# Altium PCB USB_DAQ.PcbDoc
Units mil, origin at the board's own origin, x right, y up, seen from the top; angles counter-clockwise.
Board outline 6000 x 4000 mil, 2 copper layers (Top Layer, Bottom Layer); 168 components, 107 nets, 512 pads, 0 vias.
Unrouted connection lines stored in the file: 364.
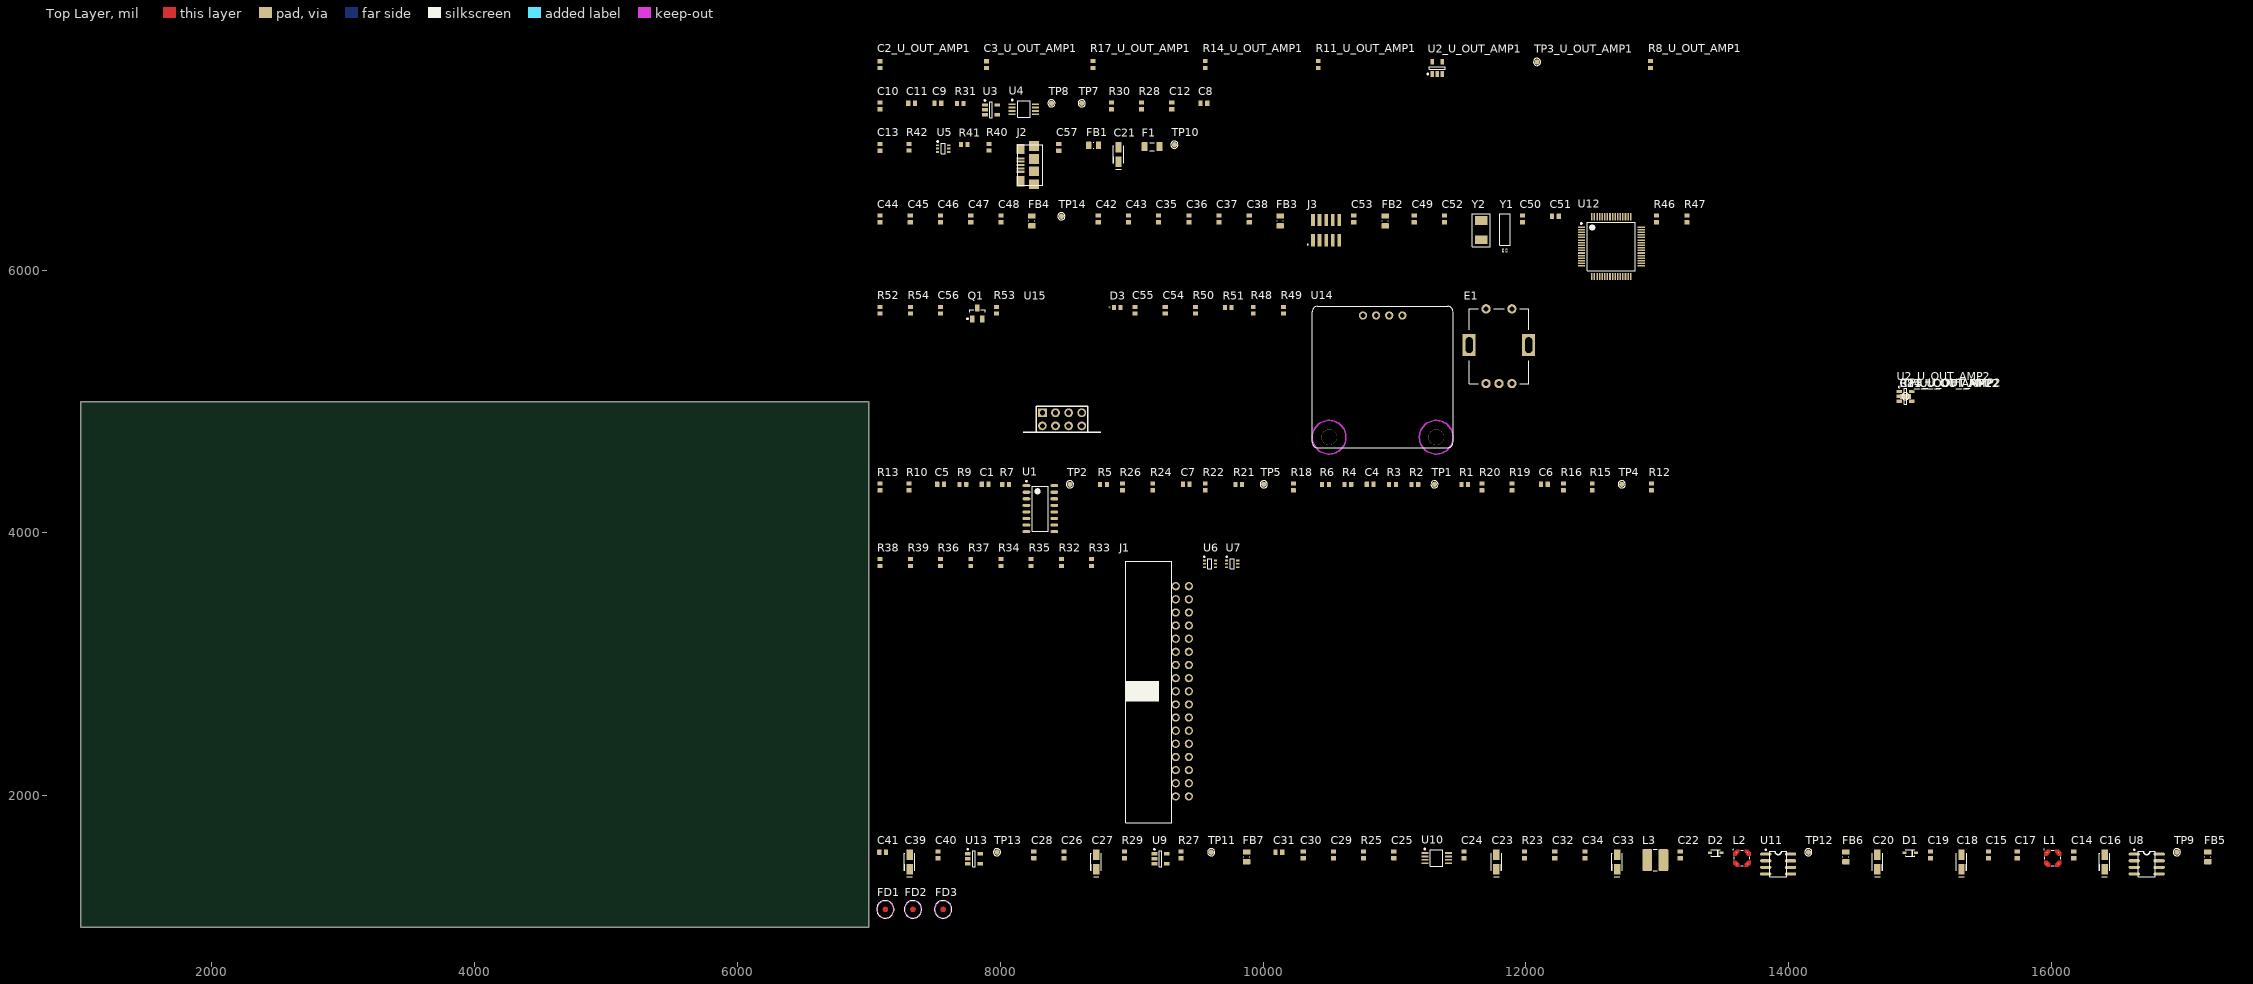
[diagram p0: Top Layer view]
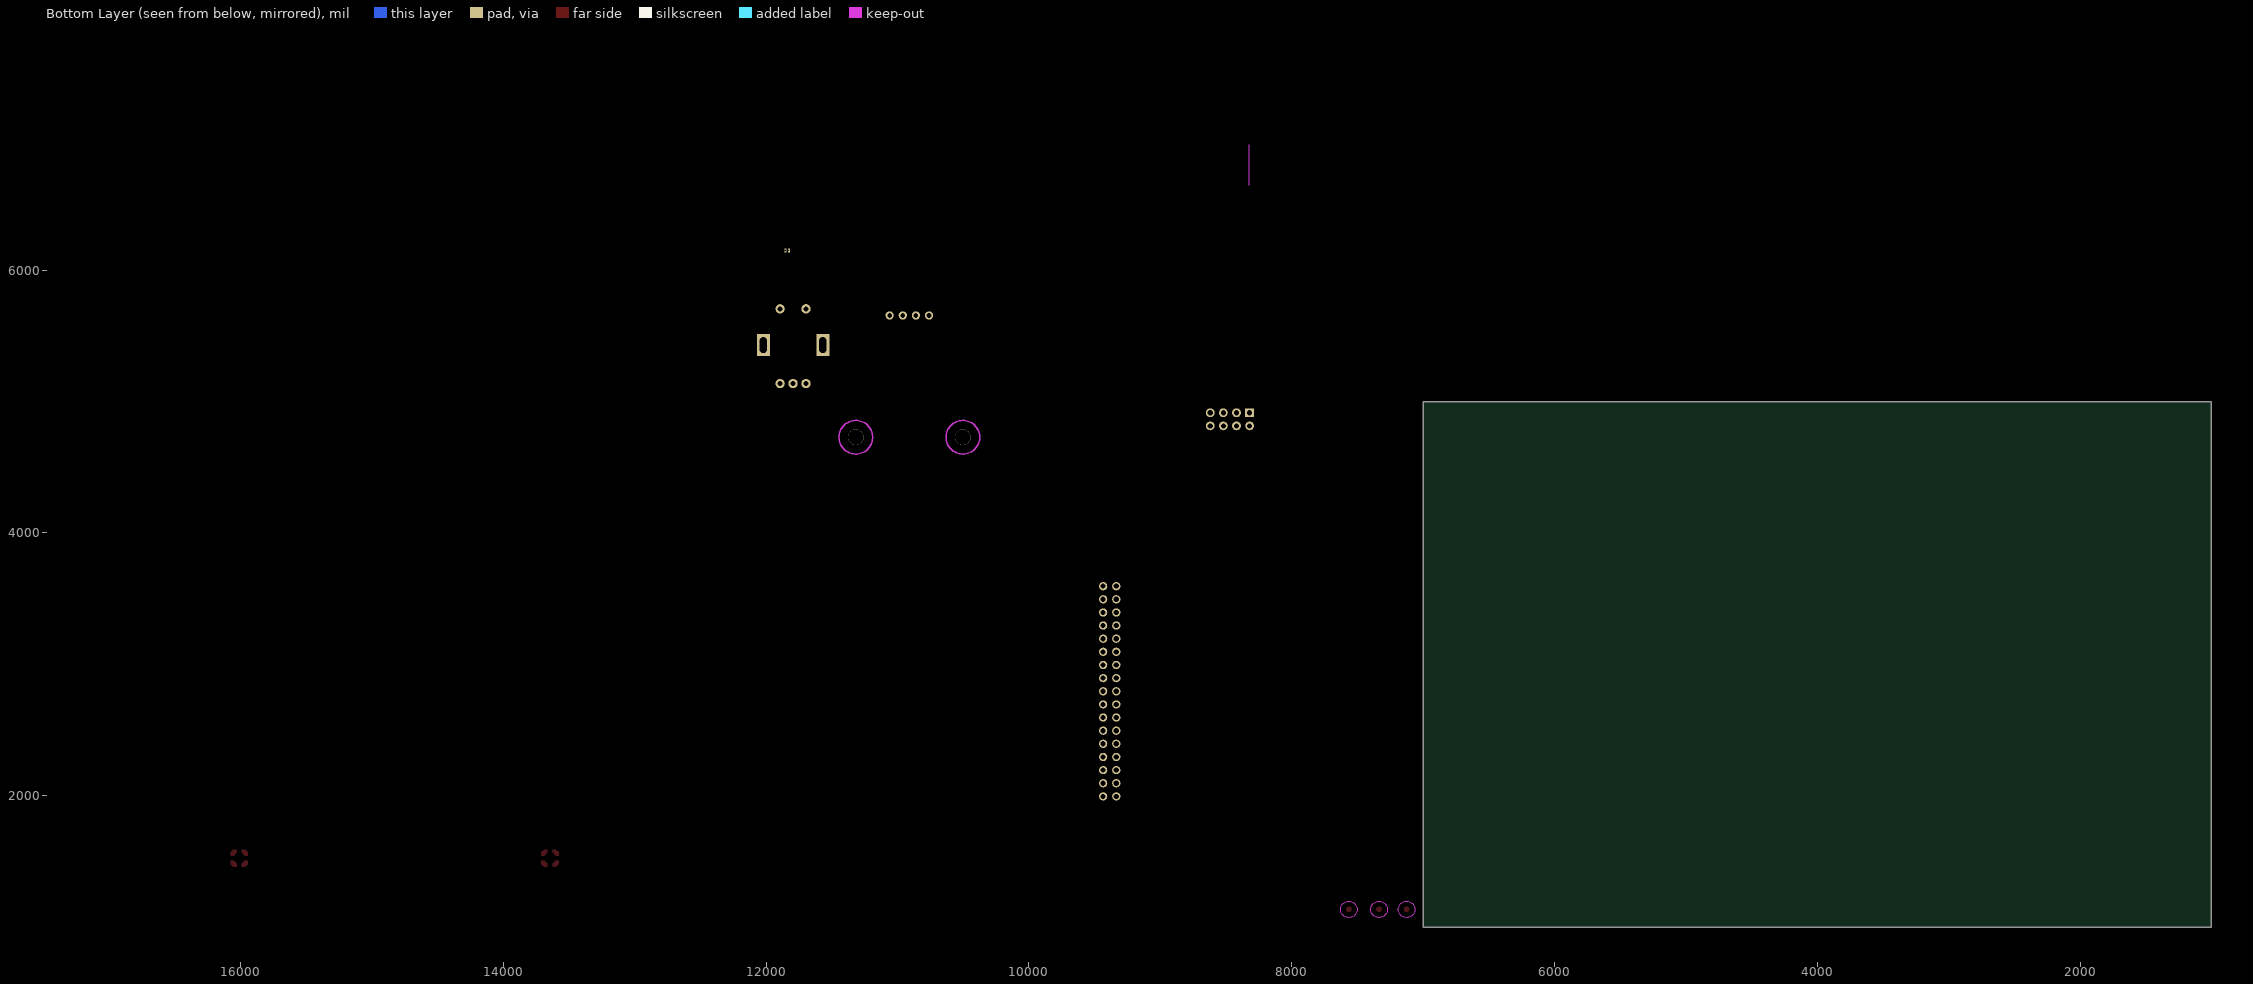
[diagram p1: Bottom Layer view, seen from below]

## Layer stack, top to bottom
Top Solder: solder mask 0.4, Solder Resist, Dk 3.5
Top Layer: signal copper 1.4
Dielectric 1: dielectric 12.6, FR-4, Dk 4.8
Bottom Layer: signal copper 1.4
Bottom Solder: solder mask 0.4, Solder Resist, Dk 3.5

## Board outline
1000,1000 7000,1000 7000,5000 1000,5000

## Design rules (kind name [scope] priority, off if disabled: settings)
Clearance [All] p1: gap=10 ignorepadtopadclearanceinfootprint=FALSE except(0: Arc-Hole Track-Hole SMDPad-Hole THPad-Hole Via-Hole Fill-Hole Poly-Hole Region-Hole Text-Hole)
DiffPairsRouting [All] p1: maxlimit=10 minlimit=10 mostfreqgap=10 toplayer_minwidth=15 toplayer_maxwidth=15 toplayer_prefwidth=15 bottomlayer_minwidth=15 bottomlayer_maxwidth=15 bottomlayer_prefwidth=15 maxuncoupledlength=500
PolygonConnect [All] p1: connectstyle=Relief reliefconductorwidth=10 reliefentries=4 polygonreliefangle="90 Angle" airgapwidth=10
RoomDefinition PSU [InComponentClass('PSU')] p1: confinementstyle=ConfineIn formatcopy=TRUE lockcomponents=FALSE outline 7045,1360 17340,1360 17340,1710 7045,1710
RoutingVias [All] p1: holewidth=28 width=50 viastyle="Through Hole" minholewidth=28 minwidth=50 maxholewidth=28 maxwidth=50
SolderMaskExpansion [All] p1: expansion=4 istentingtop=FALSE
Width [All] p1: maxlimit=10 minlimit=10 preferedwidth=10
29 further rules are at their usual default settings.

## Classes and differential pairs
channel class Output_amplifier: U_OUT_AMP1 U_OUT_AMP2
net class PIO[0..7]: PIO0 PIO1 PIO2 PIO3 PIO4 PIO5 PIO6 PIO7
net class ANALOG: OUT1_P OUT2_P OUT3_P OUT4_P VREF/2
component class U_VREF: C8 C9 C10 C11 C12 R28 R30 R31 TP7 TP8 U3 U4
component class U_USB: C13 C21 C57 F1 FB1 J2 R40 R41 R42 TP10 U5
component class U_uC: C35 C36 C37 C38 C42 C43 C44 C45 C46 C47 C48 C49 C50 C51 C52 C53 FB2 FB3 FB4 J3 R46 R47 TP14 U12 Y1 Y2
component class U_OUT_AMP2: C2_U_OUT_AMP2 C3_U_OUT_AMP2 R8_U_OUT_AMP2 R11_U_OUT_AMP2 R14_U_OUT_AMP2 R17_U_OUT_AMP2 TP3_U_OUT_AMP2 U2_U_OUT_AMP2
component class U_OUT_AMP1: C2_U_OUT_AMP1 C3_U_OUT_AMP1 R8_U_OUT_AMP1 R11_U_OUT_AMP1 R14_U_OUT_AMP1 R17_U_OUT_AMP1 TP3_U_OUT_AMP1 U2_U_OUT_AMP1
component class U_INTFC: C54 C55 C56 D3 E1 Q1 R48 R49 R50 R51 R52 R53 R54 U14 U15
component class U_IN_AMP: C1 C4 C5 C6 C7 R1 R2 R3 R4 R5 R6 R7 R9 R10 R12 R13 R15 R16 R18 R19 R20 R21 R22 R24 R26 TP1 TP2 TP4 TP5 U1
component class U_DAQ_IO: J1 R32 R33 R34 R35 R36 R37 R38 R39 U6 U7
component class PSU: C14 C15 C16 C17 C18 C19 C20 C22 C23 C24 C25 C26 C27 C28 C29 C30 C31 C32 C33 C34 C39 C40 C41 D1 D2 FB5 FB6 FB7 L1 L2 L3 R23 R25 R27 R29 TP9 TP11 TP12 TP13 U8 U9 U10 U11 U13
component class DAQ_REV_B: FD1 FD2 FD3
differential pair USB: +USB_P -USB_N
differential pair IN4: +IN4_P -IN4_N
differential pair IN3: +IN3_P -IN3_N
differential pair IN2: +IN2_P -IN2_N
differential pair IN1: +IN1_P -IN1_N

## Components (designator, comment, footprint, x,y, rotation, side; value= is the part's Value field where it differs from the comment)
C1 "100n" C_0603 7885,4370 r0 top
C2_U_OUT_AMP1 "100n" C_0603 7085,7565 r90 top (schematic designator C2)
C2_U_OUT_AMP2 "100n" C_0603 14889.5,5039.5 r0 top (schematic designator C2)
C3_U_OUT_AMP1 "100n" C_0603 7895,7565 r90 top (schematic designator C3)
C3_U_OUT_AMP2 "100n" C_0603 14889.5,5039.5 r0 top (schematic designator C3)
C4 "1n" C_0603 10815,4370 r0 top
C5 "1n" C_0603 7545,4370 r0 top
C6 "1n" C_0603 12140,4370 r0 top
C7 "1n" C_0603 9415,4370 r0 top
C8 "100n" C_0603 9550,7270 r0 top
C9 "100n" C_0603 7525,7270 r0 top
C10 "1u" C_0603 7085,7250 r90 top
C11 "100n" C_0603 7325,7270 r0 top
C12 "100n" C_0603 9305,7250 r90 top
C13 "4n7" C_0603 7085,6935 r90 top
C14 "2u2" C_0603 16170,1550 r90 top
C15 "1uF 25V" C_0603 15520,1550 r90 top
C16 "10u" "Tantalum Case A" 16405,1495 r90 top
C17 "100n" C_0603 15740,1550 r90 top
C18 "10uF" "Tantalum Case A" 15315,1495 r90 top
C19 "1uF 25V" C_0603 15080,1550 r90 top
C20 "2u2" "Tantalum Case A" 14675,1495 r90 top
C21 "4u7" "Tantalum Case A" 8900,6880 r90 top
C22 "1uF 25V" C_0603 13175,1550 r90 top
C23 "10uF" "Tantalum Case A" 11775,1495 r90 top
C24 "1uF 25V" C_0603 11530,1550 r90 top
C25 "1uF" C_0603 10995,1550 r90 top
C26 "2u2" C_0603 8485,1550 r90 top
C27 "10u" "Tantalum Case A" 8730,1495 r90 top
C28 "1u" C_0603 8255,1550 r90 top
C29 "15nF" C_0603 10535,1550 r90 top
C30 "15pF" C_0603 10305,1550 r90 top
C31 "47nF" C_0603 10120,1570 r0 top
C32 "2u2" C_0603 12220,1550 r90 top
C33 "10u" "Tantalum Case A" 12695,1495 r90 top
C34 "100n" C_0603 12450,1550 r90 top
C35 "1u" C_0603 9205,6390 r90 top
C36 "100n" C_0603 9435,6390 r90 top
C37 "100n" C_0603 9665,6390 r90 top
C38 "100n" C_0603 9895,6390 r90 top
C39 "4u7" "Tantalum Case A" 7310,1495 r90 top
C40 "1u" C_0603 7525,1550 r90 top
C41 "1u" C_0603 7105,1570 r0 top
C42 "100n" C_0603 8745,6390 r90 top
C43 "2u2" C_0603 8975,6390 r90 top
C44 "2u2" C_0603 7085,6390 r90 top
C45 "100n" C_0603 7315,6390 r90 top
C46 "100n" C_0603 7545,6390 r90 top
C47 "100n" C_0603 7775,6390 r90 top
C48 "100n" C_0603 8005,6390 r90 top
C49 "18p" C_0603 11150,6390 r90 top
C50 "18p" C_0603 11975,6390 r90 top
C51 "10p" C_0603 12225,6410 r0 top
C52 "10p" C_0603 11380,6390 r90 top
C53 "1u" C_0603 10690,6390 r90 top
C54 "100n" C_0603 9255,5695 r90 top
C55 "2u2" C_0603 9025,5695 r90 top
C56 "1u" C_0603 7545,5695 r90 top
C57 "10n" C_0603 8445,6935 r90 top
D1 "PMEG2020" SOD323 14925,1565 r0 top
D2 "PMEG2020" SOD323 13445,1565 r0 top
D3 "LED Green" LED_0603 8890,5715 r0 top
E1 "PEC11L-4220F-S0015" PEC11L 11795,5430 r0 top
F1 "250mA" "PPTCF 1206" 9155,6940 r0 top
FB1 "120Ω @ 100MHz" SMD_0805 8710,6950 r0 top
FB2 "120Ω @ 100MHz" SMD_0805 10930,6375 r90 top
FB3 "120Ω @ 100MHz" SMD_0805 10130,6375 r90 top
FB4 "120Ω @ 100MHz" SMD_0805 8240,6375 r90 top
FB5 "120Ω @ 100MHz" SMD_0805 17190,1535 r90 top
FB6 "120Ω @ 100MHz" SMD_0805 14435,1535 r90 top
FB7 "120Ω @ 100MHz" SMD_0805 9875,1535 r90 top
FD1 "Fiducial 1mm" FID1 7125,1135 r0 top
FD2 "Fiducial 1mm" FID1 7335,1135 r0 top
FD3 "Fiducial 1mm" FID1 7565,1135 r0 top
J1 "2X17" IDC34R 9385,2795 r90 top
J2 "micro USB B" MICRO_USB_A 8205,6800 r90 top
J3 "M50-3600542" HEADER_2X05_1.27mm 10480,6305 r0 top
L1 "LPD3015-153" LPD3015 16010,1525 r0 top value=15µH
L2 "LPD3015-153" LPD3015 13645,1525 r0 top value=15µH
L3 "10µH" IND_SMD_4X4mm 12985,1510 r0 top
Q1 "2N7002" SOT23-3 7825,5670 r0 top
R1 "120k" R_0603 11535,4370 r0 top
R2 "1M" R_0603 11155,4370 r0 top
R3 "470R" R_0603 10985,4370 r0 top
R4 "1M" R_0603 10645,4370 r0 top
R5 "120k" R_0603 8785,4370 r0 top
R6 "120k" R_0603 10475,4370 r0 top
R7 "1M" R_0603 8040,4370 r0 top
R8_U_OUT_AMP1 "24k" R_0603 12950,7565 r90 top (schematic designator R8)
R8_U_OUT_AMP2 "24k" R_0603 14889.5,5039.5 r0 top (schematic designator R8)
R9 "470R" R_0603 7715,4370 r0 top
R10 "1M" R_0603 7305,4350 r90 top
R11_U_OUT_AMP1 "2k" R_0603 10420,7565 r90 top (schematic designator R11)
R11_U_OUT_AMP2 "2k" R_0603 14889.5,5039.5 r0 top (schematic designator R11)
R12 "120k" R_0603 12955,4350 r90 top
R13 "120k" R_0603 7085,4350 r90 top
R14_U_OUT_AMP1 "2k" R_0603 9560,7565 r90 top (schematic designator R14)
R14_U_OUT_AMP2 "2k" R_0603 14889.5,5039.5 r0 top (schematic designator R14)
R15 "1M" R_0603 12505,4350 r90 top
R16 "470R" R_0603 12285,4350 r90 top
R17_U_OUT_AMP1 "24k" R_0603 8705,7565 r90 top (schematic designator R17)
R17_U_OUT_AMP2 "24k" R_0603 14889.5,5039.5 r0 top (schematic designator R17)
R18 "120k" R_0603 10230,4350 r90 top
R19 "1M" R_0603 11895,4350 r90 top
R20 "120k" R_0603 11665,4350 r90 top
R21 "1M" R_0603 9815,4370 r0 top
R22 "470R" R_0603 9560,4350 r90 top
R23 "10R" R_0603 11990,1550 r90 top
R24 "1M" R_0603 9160,4350 r90 top
R25 "113k" R_0603 10765,1550 r90 top
R26 "120k" R_0603 8930,4350 r90 top
R27 "10k" R_0603 9375,1550 r90 top
R28 "75R" R_0603 9075,7250 r90 top
R29 "27.4k" R_0603 8945,1550 r90 top
R30 "75k" R_0603 8845,7250 r90 top
R31 "75k" R_0603 7695,7270 r0 top
R32 "100R" R_0603 8465,3775 r90 top
R33 "100R" R_0603 8695,3775 r90 top
R34 "100R" R_0603 8005,3775 r90 top
R35 "100R" R_0603 8235,3775 r90 top
R36 "100R" R_0603 7545,3775 r90 top
R37 "100R" R_0603 7775,3775 r90 top
R38 "100R" R_0603 7085,3775 r90 top
R39 "100R" R_0603 7315,3775 r90 top
R40 "27R" R_0603 7915,6935 r90 top
R41 "27R" R_0603 7725,6955 r0 top
R42 "1M" R_0603 7305,6935 r90 top
R46 "4k7" R_0603 12995,6390 r90 top
R47 "4k7" R_0603 13225,6390 r90 top
R48 "100R" R_0603 9925,5695 r90 top
R49 "100R" R_0603 10155,5695 r90 top
R50 "100R" R_0603 9485,5695 r90 top
R51 "100R" R_0603 9735,5715 r0 top
R52 "10k" R_0603 7085,5695 r90 top
R53 "270R" R_0603 7970,5695 r90 top
R54 "10k" R_0603 7315,5695 r90 top
TP1 "testpoint" TP1_FULL 11305,4370 r0 top
TP2 "testpoint" TP1_FULL 8530,4370 r90 top
TP3_U_OUT_AMP1 "testpoint" TP1_FULL 12085,7585 r90 top (schematic designator TP3)
TP3_U_OUT_AMP2 "testpoint" TP1_FULL 14889.5,5039.5 r0 top (schematic designator TP3)
TP4 "testpoint" TP1_FULL 12730,4370 r90 top
TP5 "testpoint" TP1_FULL 10005,4370 r90 top
TP7 "testpoint" TP1_FULL 8620,7270 r90 top
TP8 "testpoint" TP1_FULL 8390,7270 r90 top
TP9 "testpoint" TP1_FULL 16955,1570 r90 top
TP10 "testpoint" TP1_FULL 9325,6955 r90 top
TP11 "testpoint" TP1_FULL 9605,1570 r90 top
TP12 "testpoint" TP1_FULL 14150,1570 r90 top
TP13 "testpoint" TP1_FULL 7975,1570 r90 top
TP14 "testpoint" TP1_FULL 8465,6410 r90 top
U1 "OPA4348" SOIC14 8305,4185 r0 top
U2_U_OUT_AMP1 "ADA4000-1" SOT23-5 11325,7540 r90 top (schematic designator U2)
U2_U_OUT_AMP2 "ADA4000-1" SOT23-5 14889.5,5039.5 r0 top (schematic designator U2)
U3 "TLV2471" SOT23-5 7930,7220 r0 top
U4 "ADR3525WA" MSOP8 8180,7225 r0 top
U5 "PUSB2X4Y" SOT363 7565,6925 r0 top
U6 "PUSB2X4Y" SOT363 9595,3765 r0 top
U7 "PUSB2X4Y" SOT363 9765,3765 r0 top
U8 "MC78L12ACDG" SOIC8 16725,1480 r0 top
U9 "TPS70933" SOT23-5 9220,1520 r0 top
U10 "ADP1613" MSOP8 11320,1525 r0 top
U11 "MC79L12ACDG" SOIC8 13920,1480 r0 top
U12 "ATSAM3S4B" LQFP64 12650,6180 r0 top
U13 "TPS73633" SOT23-5 7800,1520 r0 top
U14 "SSD1306" OLED1 10910,5185 r0 top
U15 "ESP-01" ESP-01 8470,4865 r90 top
Y1 "32.768khz" 2X6_FLAT 11840,6150 r90 top value=32.758khz
Y2 "16MHz" 5X3.2 11660,6305 r90 top

## Footprints (in the part's own frame and the unit in brackets; to place one, negate y for a bottom-side part, rotate by r counter-clockwise, add the part's x,y. Pads: shape width x height; smd on the part's side, far side on the other; paste and mask are expansions set on the pad)
2X6_FLAT [mm]
  rrect50% 0.8x0.4 hole 0.35: 1(0,-0.35)
  rrect50% 0.8x0.4 hole 0.3: 2(0,0.35)
  silkscreen extent 1.02,-1 7.11,1, body extent -0.14,-1 7,1, height 3
5X3.2 [mm] "TXC 7A series crysal oscillator footprint"
  rect 1.7x2.4 smd: 1(-1.85,0) 2(1.85,0)
  silkscreen extent -3.17,-1.78 3.17,1.78, body extent -2.5,-1.6 2.5,1.6, height 1.26
C_0603 [mm] "Chip Capacitor, 2-Leads, Body 1.57x0.85mm, IPC Medium Density"
  rrect10% 0.82x1 smd: 1(-0.65,0) 2(0.65,0)
  body extent -0.82,-0.48 0.82,0.48, height 0.95
ESP-01 [mm]
  rect 1.7x1.7 hole 1: 1(1.27,3.81)
  round 1.7 hole 1: 2(-1.27,3.81) 3(1.27,1.27) 4(-1.27,1.27) 5(1.27,-1.27) 6(-1.27,-1.27) 7(1.27,-3.81) 8(-1.27,-3.81)
  silkscreen extent -2.5,-7.5 2.5,7.5, body extent -2.8,-7.25 22,7.25, height 13.88
FID1 [mil]
  Top Layer region: 0,-19.68 -3.92,-19.68 -11.15,-16.69 -16.69,-11.15 -19.69,-3.92 -19.69,0 -19.69,3.92 -16.69,11.15 -11.15,16.69 -3.92,19.68 0,19.68 3.92,19.68 11.15,16.69 16.69,11.15 19.69,3.92 19.69,0 19.69,-3.92 16.69,-11.15 11.15,-16.69 3.92,-19.68 0,-19.68
  Keep-Out Layer circle w0.39: c0,0 r62.99
  silkscreen extent -67,-67 67,67
HEADER_2X05_1.27mm [mm]
  rect 0.74x2.4 smd: 1(-2.54,-1.95) 2(-2.54,1.95) 3(-1.27,-1.95) 4(-1.27,1.95) 5(0,-1.95) 6(0,1.95) 7(1.27,-1.95) 8(1.27,1.95) 9(2.54,-1.95) 10(2.54,1.95)
  silkscreen extent -3.66,-2.89 -3.46,-2.69, body extent -3.18,-2.75 3.17,2.75, height 4.51
IDC34R [mm]
  round 1.6 hole 1: 1(-20.32,-1.27) 2(-20.32,1.27) 3(-17.78,-1.27) 4(-17.78,1.27) 5(-15.24,-1.27) 6(-15.24,1.27) 7(-12.7,-1.27) 8(-12.7,1.27) 9(-10.16,-1.27) 10(-10.16,1.27) 11(-7.62,-1.27) 12(-7.62,1.27) 13(-5.08,-1.27) 14(-5.08,1.27) 15(-2.54,-1.27) 16(-2.54,1.27) 17(0,-1.27) 18(0,1.27) 19(2.54,-1.27) 20(2.54,1.27) 21(5.08,-1.27) 22(5.08,1.27) 23(7.62,-1.27) 24(7.62,1.27) 25(10.16,-1.27) 26(10.16,1.27) 27(12.7,-1.27) 28(12.7,1.27) 29(15.24,-1.27) 30(15.24,1.27) 31(17.78,-1.27) 32(17.78,1.27) 33(20.32,-1.27) 34(20.32,1.27)
  silkscreen extent -25.4,2 25.1,10.9, body extent -25.71,-1.56 25.71,12, height 8.85
IND_SMD_4X4mm [mm]
  rrect26% 1.91x4.22 smd: 1(-1.555,0) 2(1.555,0)
  silkscreen extent -0.42,-2.1 0.42,2.1, body extent -2,-2 2,2, height 2.15
LED_0603 [mm] "SMD LED, 2-Leads, Body 1.57x0.85mm, IPC Medium Density"
  rrect10% 0.8x0.95 smd: 1(-0.65,0) 2(0.65,0)
  body extent -0.8,-0.4 0.8,0.4, height 0.7
LPD3015 [mm]
  rect 0.2x0.2 smd: 1(-1.1,1.1) 2(-1.1,-1.1) 3(1.1,-1.1) 4(1.1,1.1)
  Top Layer region: -1.65,0.5 -1.1,0.5 -0.5,1.1 -0.5,1.65 -1.15,1.65 -1.65,1.15
  Top Layer region: 1.65,0.5 1.1,0.5 0.5,1.1 0.5,1.65 1.15,1.65 1.65,1.15
  Top Layer region: 1.65,-0.5 1.1,-0.5 0.5,-1.1 0.5,-1.65 1.15,-1.65 1.65,-1.15
  Top Layer region: -1.65,-0.5 -1.1,-0.5 -0.5,-1.1 -0.5,-1.65 -1.15,-1.65 -1.65,-1.15
  silkscreen extent -1.75,-1.5 1.5,1.69, body extent -1.55,-1.54 1.53,1.54, height 1.5
LQFP64 [mm]
  rect 1.4x0.3 smd: 1(-5.775,3.75) 2(-5.775,3.25) 3(-5.775,2.75) 4(-5.775,2.25) 5(-5.775,1.75) 6(-5.775,1.25) 7(-5.775,0.75) 8(-5.775,0.25) 9(-5.775,-0.25) 10(-5.775,-0.75) 11(-5.775,-1.25) 12(-5.775,-1.75) 13(-5.775,-2.25) 14(-5.775,-2.75) 15(-5.775,-3.25) 16(-5.775,-3.75) 33(5.775,-3.75) 34(5.775,-3.25) 35(5.775,-2.75) 36(5.775,-2.25) 37(5.775,-1.75) 38(5.775,-1.25) 39(5.775,-0.75) 40(5.775,-0.25) 41(5.775,0.25) 42(5.775,0.75) 43(5.775,1.25) 44(5.775,1.75) 45(5.775,2.25) 46(5.775,2.75) 47(5.775,3.25) 48(5.775,3.75)
  rect 0.3x1.4 smd: 17(-3.75,-5.775) 18(-3.25,-5.775) 19(-2.75,-5.775) 20(-2.25,-5.775) 21(-1.75,-5.775) 22(-1.25,-5.775) 23(-0.75,-5.775) 24(-0.25,-5.775) 25(0.25,-5.775) 26(0.75,-5.775) 27(1.25,-5.775) 28(1.75,-5.775) 29(2.25,-5.775) 30(2.75,-5.775) 31(3.25,-5.775) 32(3.75,-5.775) 49(3.75,5.775) 50(3.25,5.775) 51(2.75,5.775) 52(2.25,5.775) 53(1.75,5.775) 54(1.25,5.775) 55(0.75,5.775) 56(0.25,5.775) 57(-0.25,5.775) 58(-0.75,5.775) 59(-1.25,5.775) 60(-1.75,5.775) 61(-2.25,5.775) 62(-2.75,5.775) 63(-3.25,5.775) 64(-3.75,5.775)
  silkscreen extent -5.9,-4.67 4.67,4.67, body extent -6,-6 6,6, height 1.6
MICRO_USB_A [mm]
  rect 0.4x1.6 smd: 1(-1.3,1.3) 2(-0.65,1.3) 3(0,1.3) 4(0.65,1.3) 5(1.3,1.3)
  rect 2x1.6 smd: 6(-3.1,1.3) 6(3.1,1.3)
  rect 1.9x1.9 smd: 7(-3.7,-1.3) 7(-1.2,-1.3) 7(1.2,-1.3) 7(3.7,-1.3)
  Keep-Out Layer lines w0.1: -3.9,-3 3.9,-3
  silkscreen extent -3.9,-3 3.9,1.8, body extent -3.96,-4.06 3.96,1.6, height 2.71
MSOP8 [mm]
  rect 1.35x0.35 smd: 1(-2.275,0.975) 2(-2.275,0.325) 3(-2.275,-0.325) 4(-2.275,-0.975) 5(2.275,-0.975) 6(2.275,-0.325) 7(2.275,0.325) 8(2.275,0.975)
  silkscreen extent -2.4,-1.6 1.2,1.9, body extent -2.58,-1.6 2.57,1.6, height 1.01
OLED1 [mm]
  round 1.6 hole 0.9: 1(-3.81,11.95) 2(-1.27,11.95) 3(1.27,11.95) 4(3.81,11.95)
  round 3 hole 3 unplated: MH(-10.35,-11.6) MH(10.35,-11.6)
  Keep-Out Layer circle w0.254: c-10.35,-11.6 r3.25
  Keep-Out Layer circle w0.254: c10.35,-11.6 r3.25
  silkscreen extent -13.6,-13.6 13.6,13.7, body extent -13.6,-13.6 13.6,13.7, height 5.09
PEC11L [mm] "Rotary Encoder"
  rect 2.5x4.25 hole 1.4 slot 3 at 90 deg: 0(-5.75,0) 0(5.75,0)
  round 1.8 hole 1: 1(-2.5,7) 2(2.5,7) A(-2.5,-7.45) B(0,-7.45) C(2.5,-7.45)
  silkscreen extent -5.75,-7.45 5.75,7, body extent -6.92,-7.55 6.92,7.05, height 25.3
"PPTCF 1206" [mm] "PPTC fuse 2-Leads, Body 3.15x1.60mm, IPC Medium Density"
  rrect15% 1.15x1.75 smd: 1(-1.425,0) 2(1.425,0)
  silkscreen extent -0.45,-0.77 0.45,0.77, body extent -1.6,-0.82 1.6,0.83, height 0.59
R_0603 [mm] "Chip Resistor, 2-Leads, Body 1.57x0.85mm, IPC Medium Density"
  rrect10% 0.8x0.95 smd: 1(-0.65,0) 2(0.65,0)
  body extent -0.82,-0.48 0.82,0.48, height 0.5
SMD_0805 [mm] "Chip 2-Leads, Body 2.05x1.25mm, IPC Medium Density"
  rrect15% 1x1.4 smd: 1(-0.95,0) 2(0.95,0)
  silkscreen extent -0.05,-0.6 0.05,0.6, body extent -1.1,-0.7 1.1,0.7, height 0.8
SOD323 [mm]
  rect 0.8x0.45 smd: 1(-1.125,0) 2(1.125,0)
  silkscreen extent -0.85,-0.65 0.85,0.65, body extent -0.85,-0.63 0.85,0.63, height 0.9
SOIC8 [mm]
  oval 2.2x0.6 smd: 1(-2.4,1.905) 2(-2.4,0.635) 3(-2.4,-0.635) 4(-2.4,-1.905) 5(2.4,-1.905) 6(2.4,-0.635) 7(2.4,0.635) 8(2.4,1.905)
  silkscreen extent -2.52,-2.5 1.65,2.88, body extent -2.89,-2.41 2.89,2.49, height 1.45
SOIC14 [mm] "SOIC, 16-Leads, Body 8,65x3,91mm, Pitch 1,27mm, IPC Medium Density"
  oval 1.5x0.6 smd: 1(-2.7,4.445) 2(-2.7,3.175) 3(-2.7,1.905) 4(-2.7,0.635) 5(-2.7,-0.635) 6(-2.7,-1.905) 7(-2.7,-3.175) 8(-2.7,-4.445) 9(2.7,-4.445) 10(2.7,-3.175) 11(2.7,-1.905) 12(2.7,-0.635) 13(2.7,0.635) 14(2.7,1.905) 15(2.7,3.175) 16(2.7,4.445)
  silkscreen extent -2.82,-4.35 1.55,5.42, body extent -3,-4.65 3,4.65, height 1.75
SOT23-3 [mm]
  rect 0.9x1.4 smd: 1(-0.95,-1.05) 2(0.95,-1.05) 3(0,1.05)
  silkscreen extent -2.03,-1.14 1.5,0.7, body extent -1.45,-1.4 1.45,1.4, height 1.3
SOT23-5 [mm]
  rect 1.1x0.65 smd: 1(-1.2,0.95) 2(-1.2,0) 3(-1.2,-0.95) 4(1.2,-0.95) 5(1.2,0.95)
  silkscreen extent -1.32,-1.55 0.25,1.95, body extent -1.4,-1.45 1.4,1.45, height 1.45
SOT363 [mm]
  rect 0.6x0.35 smd: 1(-1.075,0.65) 2(-1.075,0) 3(-1.075,-0.65) 4(1.075,-0.65) 5(1.075,0) 6(1.075,0.65)
  silkscreen extent -1.2,-1 0.4,1.5, body extent -1.13,-1 1.13,1, height 1.05
"Tantalum Case A" [mm]
  rect 2x1.2 smd: 1(-1.4,0) 2(1.4,0)
  silkscreen extent -2.87,-1.02 1.7,1.02, body extent -1.66,-0.86 1.74,0.94, height 1.8
TP1_FULL [mm]
  round 1 smd: 1(0,0)
  silkscreen extent -0.7,-0.7 0.7,0.7

## Part data
C1 C2_U_OUT_AMP1 C2_U_OUT_AMP2 C3_U_OUT_AMP1 C3_U_OUT_AMP2 C4 C5 C6 C7 C8 C9 C10 C11 C12 C13 C14 C15 C17 C19 C22 C24 C25 C26 C28 C29 C30 C31 C32 C34 C35 C36 C37 C38 C40 C41 C42 C43 C44 C45 C46 C47 C48 C49 C50 C51 C52 C53 C54 C55 C56 C57: library part Capacitor, "Generic capacitor"
C16 C18 C20 C21 C23 C27 C33 C39: library part "Capacitor - polarized", "Generic polarized capacitor"
D1 D2: "Schottky Rectifier, 20 V, 2 A, Single, SOD-323, 2 Pins, 525 mV", Case=SOD323, Manufacturer=Infineon, Manufacturer Number=PMEG2020AEA, Max  Reverse Voltage=20V, Max current=2A, Category=diodes, Dealer=Farnell, Dealer number=8737940, HelpURL=https://www.farnell.com/datasheets/667013.pdf, Price=0.126, Technology=SMT
D3: "Generic LED Green"
E1: "Low Profile Encoder 15 PPR 2 Bit Quadrature 5VDC at 10 mA IP40 PCB Mount", Manufacturer=BOURNS, Category="Rotary encoders", Dealer=Mouser, Dealer number=652-PEC11L4220FS0015, HelpURL=https://www.farnell.com/datasheets/2259386.pdf, Manufacturer Number=PEC11L-4220F-S0015, Price=1.51, Technology=SMT
F1: library part 1206L025YR, "Resettable Fuse, PPTC, 1206 (3216 Metric), POLYFUSE 1206L Series, 16 VDC, 250 mA, 500 mA, 0.08 s", Manufacturer=Littelfuse, Manufacturer Number=2920L030DR, Max voltage=16V, Resistance=2.3Ω, Trip current=500mA, Category=Fuses, Dealer=Farnell, Dealer number=1596990, HelpURL=https://www.farnell.com/datasheets/683946.pdf, Holing current=250mA, Price=0.46, Technology=SMT, Type="Poly fuse"
FB1 FB2 FB3 FB4 FB5 FB6 FB7: library part BLM21AG121SN1D, "Ferrite Bead, 0805 [2012 Metric], 120 ohm, 800 mA, BLM21A Series, 0.15 ohm, ± 25%", AC resistance=120Ω, Case=0805, DC resistance=0.15Ω, Frequency=100MHz, Manufacturer=Murata, Max current=0.2A, Category="ferite beads", Dealer=Farnell, Dealer number=1515617, HelpURL=https://www.farnell.com/datasheets/1914683.pdf, Manufacturer Number=BLM21AG121SN1D, Price=0.082, Technology=SMT
FD1 FD2 FD3: library part FIDUCIAL, Part Number=XXC0016, Category=Fiducials
J1: library part "09 18 534 7323", "Pin Header, Right Angle, Wire-to-Board, 2.54 mm, 2 Rows, 34 Contacts, Through Hole Right Angle", Manufacturer=Harting, Category=Connectors, Dealer=Farnell, Dealer number=1106736, HelpURL=https://www.farnell.com/datasheets/2012759.pdf, Lenght=2.9mm, Manufacturer Number="09 18 534 7323", Orientation="right angle", Pins=34, Pitch=2.54mm, Price=2.26, Strain Reliefe=no, Technology=THT
J2: library part 10104111-0001LF, "USB Connector, Micro USB Type AB, USB 2.0, Receptacle, 5 Ways, Surface Mount, Right Angle", Manufacturer=FCI, Category=Connectors, Dealer=Farnell, Dealer number=2293755, Gender=Receptacle, HelpURL=https://www.farnell.com/cad/2354255.pdf, Manufacturer Number=10104111-0001LF, Price=0.37, Size=micro, Technology="SMT / SMT", Type=A
J3: "Pin Header, Board-to-Board, 1.27 mm, 2 Rows, 10 Contacts, Surface Mount, Archer M50 Series", Manufacturer=Harwin, Category=Connectors, Dealer=Farnell, Dealer number=1022310, Gender=Male, HelpURL=https://cdn.harwin.com/pdfs/M50-360.pdf, Manufacturer Number=M50-3600542, Orientation=strait, Pins=5, Pitch=1.27mm, Price=0.90, Rows=2, Technology=SMD
L1 L2: "Inductor, Coupled, 15 µH, 20%, 1.42 ohm, 460 mA, 3mm x 3mm x 1.4mm", Case=LPD3015, Current RMS=460mA, Current Satturation=500mA, Manufacturer=Coilcraft, Manufacturer Number=LPD3015-153MRB, Resistance=1.42Ω, Tolerance=20%, Category=Inductors, Dealer=Farnell, Dealer number=2407927, HelpURL=https://www.farnell.com/datasheets/1805317.pdf, Note="common core", Price=0.82, Technology=SMT
L3: library part TYS4012100M-10, "Power Inductor (SMD), 10 µH, 770 mA, Shielded, 800 mA, TYS Series, 4mm x 4mm x 1.2mm", Case="4mm X 4mm", Current RMS=770mA, Current Satturation=800mA, Manufacturer="Laird Technologies", Resistance=0.265Ω, Tolerance=20%, Category=Inductors, Dealer=Farnell, Dealer number=2292514, HelpURL=https://www.farnell.com/datasheets/1685921.pdf, Manufacturer Number=TYS4012100M-10, Price=0.26, Technology=SMT, Type=Power
Q1: "60V 0.3A N-channel MOSFET", Case=SOT23-3, Manufacturer=NXP, Max current=0.3A, Max power disipation=830mW, Max voltage=60V, Part Number=XMN0002, Category=mosfets, Dealer=Farnell, Dealer number=1510761, HelpURL=https://www.farnell.com/datasheets/1499179.pdf, Logic level=Yes, Manufacturer Number=2N7002, Price=0.039, RDS=2.8Ω, SKU=5000000000001, Technology=SMT, Type="N-enhancment mode"
R1 R2 R3 R4 R5 R6 R7 R8_U_OUT_AMP1 R8_U_OUT_AMP2 R9 R10 R11_U_OUT_AMP1 R11_U_OUT_AMP2 R12 R13 R14_U_OUT_AMP1 R14_U_OUT_AMP2 R15 R16 R17_U_OUT_AMP1 R17_U_OUT_AMP2 R18 R19 R20 R21 R22 R23 R24 R25 R26 R27 R28 R29 R30 R31 R32 R33 R34 R35 R36 R37 R38 R39 R40 R41 R42 R46 R47 R48 R49 R50 R51 R52 R53 R54: library part Resistor, "Generic resistor"
TP1 TP2 TP3_U_OUT_AMP1 TP3_U_OUT_AMP2 TP4 TP5 TP7 TP8 TP9 TP10 TP11 TP12 TP13 TP14: library part "Test Point", "testpoint 1.5mm diameter no hole", Part Number=XXC0006, Category=testpoints
U1: "Operational Amplifiers - Op Amps 1MHz 45uA RRIO Quad Op Amp", Case=SOIC14, Manufacturer="Texas Instruments", Manufacturer Number=OPA4348AID, Supply voltage max=5.5V, Supply voltage min=2.1V, Category="Integrated circuits", Dealer=Mouser, Dealer number=595-OPA4348AID, Devices=4, GBP=1MHz, HelpURL=http://www.ti.com/general/docs/suppproductinfo.tsp?distId=26&gotoUrl=http%3A%2F%2Fwww.ti.com%2Flit%2Fgpn%2Fopa4348, Price=1.64, Rail to Rail=IN/OUT, Technology=SMT
U2_U_OUT_AMP1 U2_U_OUT_AMP2: "Operational Amplifier, Single, 1 Amplifier, 5 MHz, 20 V/µs, ± 4V to ± 18V, TSOT, 5 Pins", Case=SOT, Manufacturer="Analog devices", Manufacturer Number=ADA4000-1AUJZ-R7, Part Number=XOG0003, Supply voltage max=+-18V, Category="Integrated circuits", Dealer=Farnell, Dealer number=2461002, Devices=1, HelpURL=https://www.farnell.com/datasheets/698265.pdf, Price=1.97, Technology=SMT
U3: "FAMILY OF 600μA/Ch 2.8MHz RAIL-TO-RAIL INPUT/OUTPUT / HIGH-DRIVE OPERATIONAL AMPLIFIERS WITH SHUTDOWN", Case=SOT23-5, Manufacturer="Texas Instruments", Manufacturer Number=TLV2471IDBVT, Part Number=XOG0002, Supply voltage max=6V, Supply voltage min=2.7V, Category="Integrated circuits", Dealer=Farnell, Dealer number=1102964, Devices=1, GBP=2.8MHz, HelpURL=http://www.ti.com/general/docs/suppproductinfo.tsp?distId=26&gotoUrl=http%3A%2F%2Fwww.ti.com%2Flit%2Fgpn%2Ftlv2471, Price=1.43, Rail to Rail=IN/OUT, Technology=SMT
U4: library part ADR3525W, "Micropower, High Accuracy / Voltage References", Case=MSOP8, Manufacturer="Analog devices", Manufacturer Number=ADR3525WARMZ-R7, Max input voltage=5.5V, Output current=10mA, Output Voltage=2.5V, Part Number=VRX0002, Voltage tolerance=0.1%, Category="Integrated circuits", Dealer=Farnell, Dealer number=2077701, HelpURL=https://www.farnell.com/datasheets/1511785.pdf, Price=1.66, Technology=SMT
U5 U6 U7: "ESD protection for high-speed interfaces", Case=SOT363, Clamping voltage=3.8V, Manufacturer=Multicomp, Part Number=XDE0000, Category="diode array", Dealer=Farnell, Dealer number=2400968, HelpURL=https://www.farnell.com/datasheets/1801208.pdf, Manufacturer Number=PUSB2X4Y, Price=0.174, Technology=SMT
U8: library part 78LXX, "100 mA Positive Voltage Regulator", Case=SOIC8, Manufacturer="ON Semiconductors", Max input voltage=35V, Output current=100mA, Output Voltage=12V, Part Number=XLR0006, Voltage tolerance=5%, Category="Integrated circuits", Dealer=Farnell, Dealer number=9666273, HelpURL=https://www.farnell.com/datasheets/2236920.pdf, LDO=No, Low noise=No, Manufacturer Number=MC78L12ACDG, Price=0.43, Technology=SMT, Teperature range="0°C to +150°C"
U9: library part TPS709XX, "1-µA IQ Voltage Regulators with Enable", Case=SOT23-5, Manufacturer="Texas Instruments", Manufacturer Number=TPS70933DBVT, Max input voltage=30V, Output current=150mA, Output Voltage=3.3V, Part Number=XLR0012, Category="Integrated circuits", Dealer=Farnell, Dealer number=2382995, HelpURL=http://www.ti.com/general/docs/suppproductinfo.tsp?distId=26&gotoUrl=http%3A%2F%2Fwww.ti.com%2Flit%2Fgpn%2Ftps709, LDO=Yes, Low noise=No, Price=0.86, Technology=SMT, Teperature range="-40°C to +85°C"
U10: library part ADP161X, "DC-DC Switching Boost, SEPIC Regulator, Adjustable, 2.5V-5.5Vin, 3.6V-20Vout, 2Aout, MSOP-8", Case=MSOP8, Input voltage max=5.5V, Input voltage min=2.5V, Manufacturer="Analog devices", Manufacturer Number=ADP1613ARMZ-R7, Max output current=1.5A, Output voltage max=20V, Output voltage min=3.6V, Category="Integrated circuits", Dealer=Mouser, Dealer number=584-ADP1613ARMZ-R7, Ext Cock=No, HelpURL=https://eu.mouser.com/datasheet/2/609/ADP1612_1613-1503267.pdf, Multyphaze=No, Price=1.63, Switching element=Internal, Synchronious=No, Technology=SMT, Type=Boost
U11: library part 79LXX, "100 mA Negative Voltage Regulator", Case=SOIC8, Manufacturer="ON Semiconductors", Max input voltage=-14V, Output current=100mA, Output Voltage=-12V, Part Number=XLR0007, Voltage tolerance=5%, Category="Integrated circuits", Dealer=Farnell, Dealer number=1652361, HelpURL=https://www.farnell.com/datasheets/2255359.pdf, LDO=No, Low noise=No, Manufacturer Number=MC79L12ACDG, Price=0.52, Technology=SMT, Teperature range="0°C to +150°C"
U12: library part ATSAM3SXB, "Cortex M3 ARM microcontroller", Case=LQFP64, Manufacturer=Atmel, Manufacturer Number=ATSAM3S4BA-AU, Max Frequency=64MHz, Part Number=XAM0003, Supply voltage max=3.6V, Supply voltage min=1.62V, Temperature range="-40°C to +85°C", ADCs=8, Category="Integrated circuits", Core=Cortex-M3, Dealer=Farnell, Dealer number=1841656, Flash=256kB, GPIOs=47, HelpURL=https://www.farnell.com/datasheets/1698183.pdf, IIC=2, Price=6.58, RAM=48kB, SPI=1, Technology=SMT, Timers=3, UART=3
U13: library part TPS736XX, "Cap-Free, NMOS, 400-mA Low-Dropout Regulator with Reverse Current Protection", Case=SOT23-5, Manufacturer="Texas instruments", Manufacturer Number=TPS73633DBV, Max input voltage=5.5V, Output current=400mA, Output Voltage=3.3V, Part Number=XLR0013, Voltage tolerance=1%, Category="Integrated circuits", Dealer=Farnell, Dealer number=1207346, HelpURL=http://www.ti.com/general/docs/suppproductinfo.tsp?distId=26&gotoUrl=http%3A%2F%2Fwww.ti.com%2Flit%2Fgpn%2Ftps736, LDO=Yes, Low noise=No, Price=2.53, Technology=SMT, Teperature range="-40°C to +125°C"
U14: library part OLED_SSD1306, "Oled display module", Part Number=OLM0000, Category=Displays, Dealer=Ebay, HelpURL=https://cdn-shop.adafruit.com/datasheets/SSD1306.pdf, Price=7, Technology=THT
U15: "WIFI module", Part Number=XWM0000, Category="WIFI modules", Dealer=Ebay, HelpURL=https://en.wikipedia.org/wiki/ESP8266, Price=3.8, Technology=THT
Y1: library part "R26-32.768- 12.5", "Crystal, 32.768 kHz, Cylinder Radial, 6.2mm x 2mm Dia, 12.5 pF, 20 ppm, R26 Series", Case=5X3.2_1, Frequency tolerance=20ppm, Load capacitance=12pF, Manufacturer=RALTRON, Part Number=XCR0010, Category=Crystals, Dealer=Farnell, Dealer number=1652573, HelpURL=http://www.ramitechnology.com/products/spec/crystal/crystal-r38_26_145.pdf, Manufacturer Number="R26-32.768- 12.5", Price=0.18, Technology=THT
Y2: library part 7A-16.000MAAJ-T, "Crystal, 16 MHz, SMD, 5mm x 3.2mm, 30 ppm, 18 pF, 30 ppm, 7A Series", Case=5X3.2, Frequency tolerance=30ppm, Load capacitance=18pF, Manufacturer=TCX, Category=Crystals, Dealer=Farnell, Dealer number=1841946, HelpURL=https://www.farnell.com/datasheets/1041607.pdf, Manufacturer Number=7A-16.000MAAJ-T, Price=0.91, Technology=SMT

## Nets (pads, with @x,y where several pads share a name; then routed paths per layer and width w, separated by ;. In a path a pad name is that pad's centre, name@x,y a point inside that pad or via, vN(x,y) a via of type N, cw(c..) or ccw(c..) an arc to the next point about the centre after c; other vN are vias at no path point)
3V3: C27.1 C35.1 C36.1 C37.1 C38.1 D3.2 FB7.1 J3.1 R46.2 R47.2 TP11.1 U9.5 U12.18 U12.45 U12.58 U14.1
3V3A: C8.2 C10.1 C11.1 C26.1 C42.1 FB7.2 U3.5 U4.1 U4.8 U12.7
3V3W: C39.1 C41.1 C54.2 C55.2 C56.2 TP13.1 U13.5 U15.4 U15.8
32KHZ_1: C51.1 U12.32 Y1.2
32KHZ_2: C52.1 U12.31 Y1.1
+12V: C2_U_OUT_AMP1.1 C2_U_OUT_AMP2.1 C17.2 FB5.2 J1.1 TP9.1 U2_U_OUT_AMP1.5 U2_U_OUT_AMP2.5
+15V: C14.1 C23.1 L3.2 R25.1 U8.8
-12V: C3_U_OUT_AMP1.1 C3_U_OUT_AMP2.1 C34.2 FB6.2 J1.2 TP12.1 U2_U_OUT_AMP1.2 U2_U_OUT_AMP2.2
-15V: C18.2 C19.2 C32.1 L1.4 U11.2 U11.3 U11.6 U11.7
AGND: C1.1 C2_U_OUT_AMP1.2 C2_U_OUT_AMP2.2 C3_U_OUT_AMP1.2 C3_U_OUT_AMP2.2 C17.1 C34.1 C43.2 FB4.2 J1.25 J1.26 J1.27 J1.28 J1.29 J1.30 J1.31 J1.33 R17_U_OUT_AMP1.1 R17_U_OUT_AMP2.1 U1.11
ANLG_OUT_U_OUT_AMP1: J1.32 R8_U_OUT_AMP1.2 TP3_U_OUT_AMP1.1 U2_U_OUT_AMP1.1
ANLG_OUT_U_OUT_AMP2: J1.34 R8_U_OUT_AMP2.2 TP3_U_OUT_AMP2.1 U2_U_OUT_AMP2.1
APS_EN: U10.3 U12.47
BTN: R49.2 U12.44
D+: J2.3 R41.1
D-: J2.2 R40.1
DAC_OUT_U_OUT_AMP1: R14_U_OUT_AMP1.1 U12.63
DAC_OUT_U_OUT_AMP2: R14_U_OUT_AMP2.1 U12.59
ENC_A: R48.1 U12.23
ENC_B: R50.1 U12.25
GND: C4.2 C5.2 C6.2 C7.2 C8.1 C9.2 C10.2 C11.2 C12.2 C13.1 C14.2 C16.2 C18.1 C19.1 C20.2 C21.2 C23.2 C24.1 C25.2 C26.2 C27.2 C28.2 C30.2 C31.2 C32.2 C33.1 C35.2 C36.2 C37.2 C38.2 C39.2 C40.2 C41.2 C42.2 C44.2 C45.2 C46.2 C47.2 C48.2 C49.2 C50.2 C51.2 C52.2 C53.2 C54.1 C55.1 C57.2 D1.2 E1.C FB4.1 J1.4 J1.5 J1.6 J1.7 J1.8 J2.5 J3.3 J3.5 J3.9 L2.4 Q1.2 R27.2 R29.2 R31.1 R42.1 R51.2 R52.1 R54.1 TP14.1 U3.2 U4.2 U4.3 U6.2 U7.2 U8.2 U8.3 U8.6 U8.7 U9.2 U10.4 U11.5 U12.2 U12.17 U12.46 U12.60 U13.2 U14.2 U15.1
IN1_N: J1.23 R19.1
IN1_P: J1.24 R15.1
IN2_N: J1.21 R4.1
IN2_P: J1.22 R2.1
IN3_N: J1.19 R24.1
IN3_P: J1.20 R21.1
IN4_N: J1.17 R10.1
IN4_P: J1.18 R7.1
JTAG_RST: J3.10 U12.39
JTAG_TCK: J3.4 U12.53
JTAG_TDI: J3.8 U12.33
JTAG_TDO: J3.6 Q1.1 R54.2 U12.49
JTAG_TMS: J3.2 U12.51
NetC9_1: C9.1 R30.1 R31.2 U3.3
NetC15_1: C15.1 C22.1 L1.2 L2.2 U10.5
NetC15_2: C15.2 D1.1 L1.3
NetC16_1: C16.1 FB5.1 U8.1
NetC22_2: C22.2 D2.1 L2.3
NetC24_2: C24.2 D2.2 L3.1
NetC25_1: C25.1 R23.2 U10.6 U10.7
NetC29_1: C29.1 C30.1 U10.1
NetC29_2: C29.2 R29.1
NetC31_1: C31.1 U10.8
NetC33_2: C33.2 FB6.1 U11.1
NetC44_1: C44.1 C45.1 C46.1 C47.1 C48.1 U12.8 U12.12 U12.24 U12.54 U12.64
NetC49_1: C49.1 U12.62 Y2.1
NetC50_1: C50.1 U12.61 Y2.2
NetC53_1: C53.1 FB2.1 U12.1
NetC56_1: C56.1 R52.2 U15.6
NetC57_1: C57.1 F1.2 FB1.1
NetD3_1: D3.1 R53.2
NetE1_1: E1.1 R49.1
NetE1_2: E1.2 R51.1
NetE1_A: E1.A R48.2
NetJ1_9: J1.9 R32.2
NetJ1_10: J1.10 R33.1
NetJ1_11: J1.11 R34.2
NetJ1_12: J1.12 R35.1
NetJ1_13: J1.13 R36.2
NetJ1_14: J1.14 R37.1
NetJ1_15: J1.15 R38.2
NetJ1_16: J1.16 R39.1
NetQ1_3: Q1.3 R53.1
NetR1_1: R1.1 R2.2 U1.9
NetR1_2: R1.2 R3.1 U1.8
NetR4_2: R4.2 R6.2 U1.10
NetR5_1: R5.1 R7.2 U1.2
NetR5_2: R5.2 R9.1 U1.1
NetR8_U_OUT_AMP1_1: R8_U_OUT_AMP1.1 R11_U_OUT_AMP1.2 U2_U_OUT_AMP1.3
NetR8_U_OUT_AMP2_1: R8_U_OUT_AMP2.1 R11_U_OUT_AMP2.2 U2_U_OUT_AMP2.3
NetR10_2: R10.2 R13.2 U1.3
NetR12_1: R12.1 R15.2 U1.13
NetR12_2: R12.2 R16.1 U1.14
NetR14_U_OUT_AMP1_2: R14_U_OUT_AMP1.2 R17_U_OUT_AMP1.2 U2_U_OUT_AMP1.4
NetR14_U_OUT_AMP2_2: R14_U_OUT_AMP2.2 R17_U_OUT_AMP2.2 U2_U_OUT_AMP2.4
NetR18_1: R18.1 R21.2 U1.6
NetR18_2: R18.2 R22.1 U1.7
NetR19_2: R19.2 R20.2 U1.12
NetR24_2: R24.2 R26.2 U1.5
NetR25_2: R25.2 R27.1 U10.2
NetR28_1: R28.1 U3.4
OUT1_P: C6.1 R16.2 TP4.1 U12.3
OUT2_P: C4.1 R3.2 TP1.1 U12.5
OUT3_P: C7.1 R22.2 TP5.1 U12.9
OUT4_P: C5.1 R9.2 TP2.1 U12.13
PIO0: R32.1 U6.1 U12.30
PIO1: R33.2 U6.3 U12.29
PIO2: R34.1 U6.4 U12.28
PIO3: R35.2 U6.6 U12.27
PIO4: R36.1 U7.1 U12.22
PIO5: R37.2 U7.3 U12.21
PIO6: R38.1 U7.4 U12.20
PIO7: R39.2 U7.6 U12.19
SCL: R47.1 U12.36 U14.3
SDA: R46.1 U12.43 U14.4
SHLD: C13.2 J2.6 J2.7 R42.2 U5.2
UART_0_RX: U12.35 U15.7
UART_0_TX: U12.34 U15.2
USB_N: R40.2 U5.4 U12.56
USB_P: R41.2 U5.6 U12.57
VBUS: F1.1 J2.1
VREF: C12.1 FB2.2 R30.2 TP8.1 U4.6 U4.7
VREF/2: R6.1 R11_U_OUT_AMP1.1 R11_U_OUT_AMP2.1 R13.1 R20.1 R26.1 R28.2 TP7.1 U3.1 U12.4 U12.6 U12.10 U12.16
VSUP: C20.1 C21.1 C28.1 C40.1 FB1.2 FB3.1 J1.3 L1.1 L2.1 R23.1 TP10.1 U9.1 U9.3 U13.1
VSUPA: C1.2 C43.1 FB3.2 U1.4
WIFI_EN: U12.15 U13.3
pads on no net: E1.0 E1.B J2.4 J3.7 R50.2 U1.15 U1.16 U4.4 U4.5 U5.1 U5.3 U5.5 U6.5 U7.5 U8.4 U8.5 U9.4 U11.4 U11.8 U12.11 U12.14 U12.26 U12.37 U12.38 U12.40 U12.41 U12.42 U12.48 U12.50 U12.52 U12.55 U13.4 U14.MH U15.3 U15.5

## Text inside footprints (layer, text, board x,y; h text height)
D3: Top Overlay "K" at 8825,5705 h19.68